# KiCad board mainboard.kicad_pcb (continued)
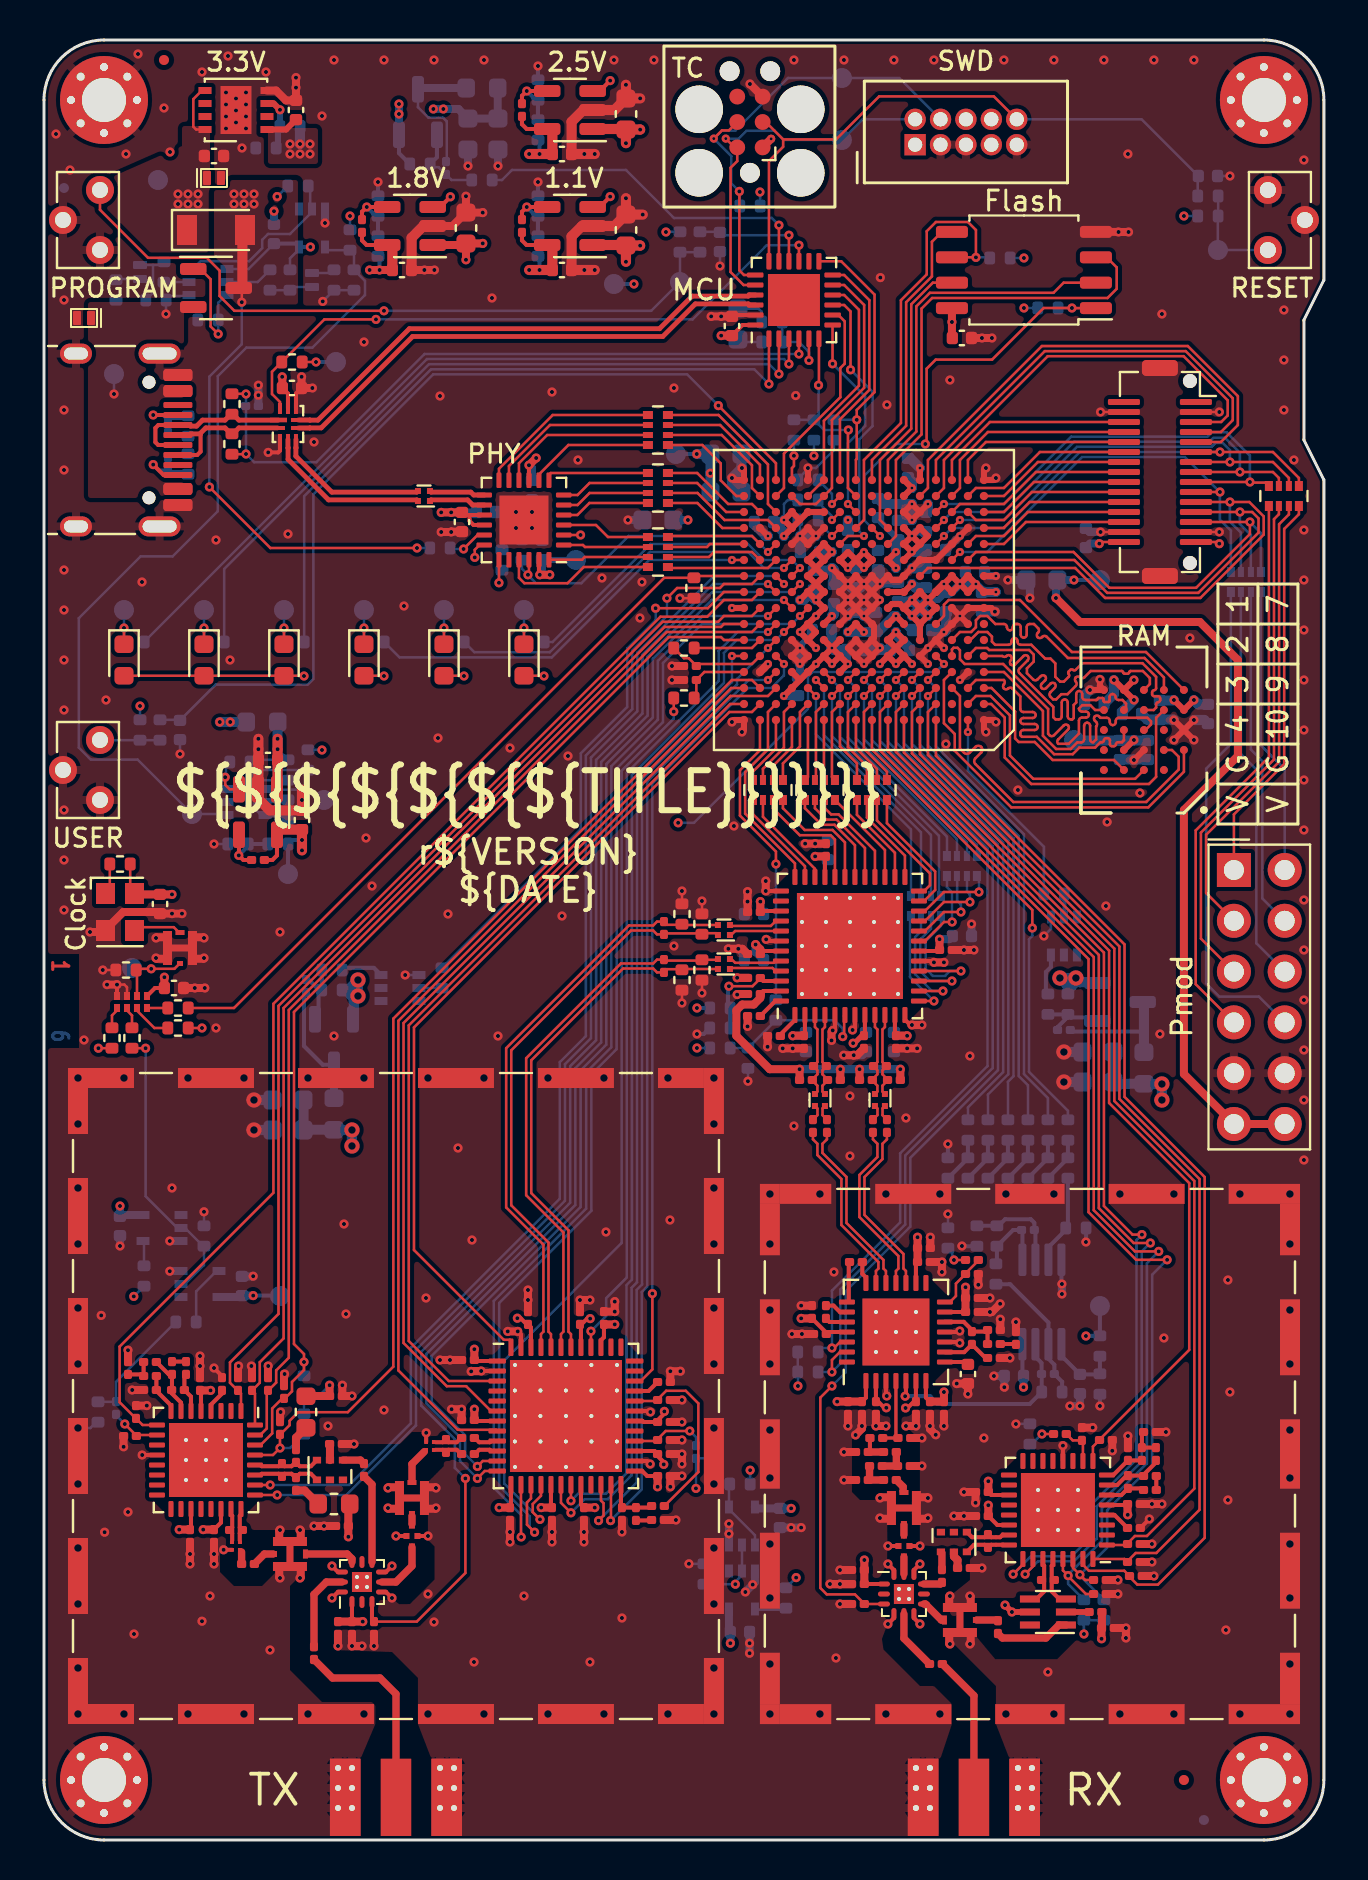
[diagram p0: board, top side]
## Routing (per net, layer and track width the routed paths; a pad name or vN(x,y) marks a point on that pad's centre or on a via; arc(x,y) is an arc through that point) (continued)
Net-(RN8-R4.2): length 4.6
  Top w0.127: U11.26 42.55,49.36 40.65,51.26 RN8.5
Net-(RN9-R1.2): length 4.9
  Top w0.127: U11.27 42.05,49.5 RN9.8
Net-(RN9-R2.2): length 5.1
  Top w0.127: RN9.7 39.05,51.59 39.36,51.28 39.73,51.28 41.55,49.46 U11.28
Net-(RN9-R3.2): length 5.2
  Top w0.127: RN9.6 38.55,51.59 39.12,51.02 39.63,51.02 41.05,49.6 U11.29
Net-(RN9-R4.2): length 5.3
  Top w0.127: RN9.5 38.05,51.59 38.88,50.76 39.53,50.76 40.55,49.74 U11.30
Net-(RN10-R1.2): length 5.9
  Top w0.127: RN10.8 36.95,51.59 38.04,50.5 39.43,50.5 40.05,49.88 U11.31
Net-(RN10-R2.2): length 6
  Top w0.127: U11.32 39.55,50.02 39.33,50.24 37.79,50.24 36.45,51.58 RN10.7
Net-(RN10-R3.2): length 4.9
  Top w0.127: RN10.6 35.95,51.16 38.55,48.56 U11.34
Net-(RN10-R4.2): length 4.9
  Top w0.127: U11.35 38.05,48.69 35.45,51.29 RN10.5
Net-(T1-GND): length 0.8
  Top w0.4: C128.2 45.68,14 45.5,14.18 45.5,14.36
Net-(T5-GND): length 0.8
  Top w0.4: C133.2 14.3,19.78 T5.2
Net-(U4-ADJ/NC): length 2.8
  Top w0.305: v1(11.8,86.51) 11.48,86.83 U4.3
  Bottom w0.305: v1(11.8,86.51) 11.8,85.69 R16.2 11.7,85.58 11.7,84.69 R17.1
Net-(U5-ADJ): length 3.5
  Top w0.203: C59.2 23.9,81.41 v1(24.14,81.65) U5.4
  Bottom w0.203: v1(24.14,81.65) 24.6,81.19 R125.1 R124.2
Net-(U6-ADJ): length 3.5
  Top w0.203: U6.4 v1(24.14,87.45) 23.9,87.21 C57.2
  Bottom w0.203: v1(24.14,87.45) 24.6,86.99 R121.1 R120.2
Net-(U7-ADJ): length 3.5
  Top w0.203: U7.4 v1(16.14,81.65) 15.9,81.41 C58.2
  Bottom w0.203: v1(16.14,81.65) 16.6,81.19 R123.1 R122.2
Net-(U11-CLK): length 8
  Top w0.127: 40.01,41.21 40.01,40.24 v1(39.94,40.17) ; 40.01,41.21 U11.6 40.01,41.21
  Bottom w0.127: R30.2 R31.1 35.21,39.6 R119.1 39.52,40.99 39.94,40.57 v1(39.94,40.17)
Net-(U11-REFIN): length 5
  Top w0.127: v1(34.25,42.69) 35.43,42.69 35.82,43.08 C165.1
  Top w0.203: C165.1 35.97,42.95 U11.46
  Bottom w0.203: v1(34.25,42.69) 34.2,42.64 34.2,41.71 R54.2 R55.1
Net-(U12-BYPASS): length 1.3
  Top w0.203: C83.1 30.23,22.45 U12.33
Net-(U14-IDC+): length 1.1
  Top w0.203: C92.2 40.92,28.31 41.1,28.13 U14.21
Net-(U14-IDC-): length 2.1
  Top w0.203: C92.1 40.24,28.86 40.24,26.9 U14.22
Net-(U14-QDC+): length 1.2
  Top w0.203: U14.23 39.8,26.4 39.48,26.72 C91.2
Net-(U14-QDC-): length 1.1
  Top w0.203: U14.24 39.28,25.9 C91.1
Net-(U14-VCOBYP): length 1.2
  Top w0.203: U14.8 46.08,23.9 C96.1
Net-(U15A-+): length 4.5
  Bottom w0.203: 51.19,33.08 R72.2 51.2,30.71 R73.1 51.09,30.51 50.22,29.64 U15.3
Net-(U15A--): length 5
  Bottom w0.203: R74.2 R75.2 47.73,30.71 48.06,31.04 49.34,31.04 49.52,30.86 C105.2 49.57,30.44 U15.2
Net-(U15B-+): length 3.8
  Bottom w0.203: R77.1 R78.1 52.77,23.28 C106.1 50.88,24.21 U15.5
Net-(U15B--): length 7.2
  Bottom w0.203: R79.2 50.91,22.91 C107.2 50.52,23.77 50.22,24.06 U15.6 50.22,25.88 48.31,27.79 R76.1
Net-(U20-D): length 3.6
  Bottom w0.127: R36.2 34.25,17.76 U20.4 34.25,16.54 35.55,15.24 U20.1
Net-(U21-Y1): length 1.1
  Top w0.127: R104.1 3.4,41.23 3.65,41.48 U21.5
Net-(U21-Y2): length 1.1
  Top w0.127: R105.1 4.4,41.23 4.15,41.48 U21.6
Net-(U21-Y3): length 2
  Top w0.127: U21.7 4.65,41.47 5.52,40.6 R103.1
Net-(U21-Y4): length 1
  Top w0.127: U21.8 R45.1
Net-(U24-ADJ): length 3.5
  Top w0.203: U24.4 9.75,49.24 v1(9.74,49.23) 9.97,49 C185.2
  Bottom w0.203: v1(9.74,49.23) 10.21,49.7 R117.1 R109.2
Net-(U24-VIN): length 6.6
  Top w0.508: v1(11.68,55.06) v1(11.68,54.54) C162.1 11.68,52.57 U24.1
  Bottom w0.127: R118.1 10.42,54.01 R108.1 11.68,54.53 v1(11.68,54.54)
  Bottom w0.508: v1(11.68,54.54) 11.68,55.89 FB3.1
Net-(Y1-OE): length 1.6
  Top w0.127: Y1.1 3.29,47.54 R18.2

## Copper pours and planes (outline as drawn; the poured copper is in the pictures)
3V3A on In2.Cu: 12.5,48.99 12.5,50.5 54,50.5 54,44 52,42 45.4,42 42.3,39 32.89,40.81 15.18,41.62
3V3FPGA on In2.Cu: 4,58.5 11,72 11,85 14.5,88.5 28.1,88.5 33.2,83.4 55.33,83.4 59,79 59,57.5 14.5,57.5 7.5,48 6.5,42.56 4,42.5
3V3RX on In2.Cu: 57,39 57,12 52,7 35,7 34,8 34,10 37,13 37,31 45,39
3V3TX on In2.Cu: 8.07,36.2 3,31.66 3,13 8,8 27,8 32,13 32,31 26.8,36.2
+1V1 on Bottom: 42.3,63.1 39.6,63.1 39.6,65.1 42.3,65.1
+1V1 on In3.Cu: 30.1,79 43.1,62.4 43.1,59.9 35.42,60 24.7,70.5 24,79
+1V8 on In3.Cu: 24.7,79 48.34,62.74 57.79,58 57.79,53.5 45,44.5 23.3,55.5 15.49,79
+2V5 on In3.Cu: 46.11,64.5 43,62.38 41.4,60.7 39.7,60.7 39.2,61.1 39.4,62.4 41.07,62.83 41.7,64 25.1,79 24.07,79.08 23.5,84.66 25.5,84.62 33.62,74.9
+3V3 on Top: 13.7,83.8 11.2,83.8 11.2,85.6 13.7,85.6
+3V3 on In3.Cu: 11.5,87.5 11.5,55.5 23.92,55.5 44.53,71.46 57.7,81.3 51.5,87.5
+5V on Top: 8.3,85.7 8.3,79.1 5.2,79.1 2.82,81.6 2.8,82.89 6.9,84.7 6.9,85.7
+5V on Bottom: 8.32,85.5 8.3,79.1 4.2,79 4.2,83.4
+5V on In3.Cu: 11.5,83 11.5,55.5 4,55.5 4,83
GND on Top: 66,92 66,-1.98 -2,-1.98 -2,92.02
GND on Bottom: 65,-0.98 -1,-0.98 -1,91.02 65,91
GND on Bottom: 25.3,64.7 22.7,64.7 22.7,67.3 25.3,67.3
GND on In1.Cu, In2.Cu, In3.Cu, In4.Cu: -1.5,91.5 65.5,91.5 65.5,-1.5 -1.5,-1.5
VBUS on Top: 7,76.9 7,67.1 2.2,67.1 2.2,76.9
VBUS_SAFE on Top: 8.5,83 8.5,76.4 12.7,76.4 12.7,83
VBUS_SAFE on Bottom: 8.5,78.8 11,78.8 11,84 8.5,84

## Text on the board
Bottom: 6
B.Silkscreen: +5V | GND | 3V3 | 2V5 | 1V1 | URTI Mainboard
User.Comments: Bank 3 | Bank 1 | Bank 0 | Bank 6 | Bank 2 | Bank 8 | Bank 7
Top: 1
F.Silkscreen: 10 | USER | PROGRAM | 3.3V | 1.8V | PHY | 1.1V | 2.5V | TC | SWD | RAM | RESET | Clock | MCU | Flash | Pmod | 1 | 2 | 3 | 4 | G | V | 7 | 8 | 9 | r${REVISION} | ${ISSUE_DATE} | TX | RX | ${TITLE}
In1.Cu: 2
In2.Cu: 3
In3.Cu: 4
In4.Cu: 5
